# KiCad board PiEEG.kicad_pcb (continued)
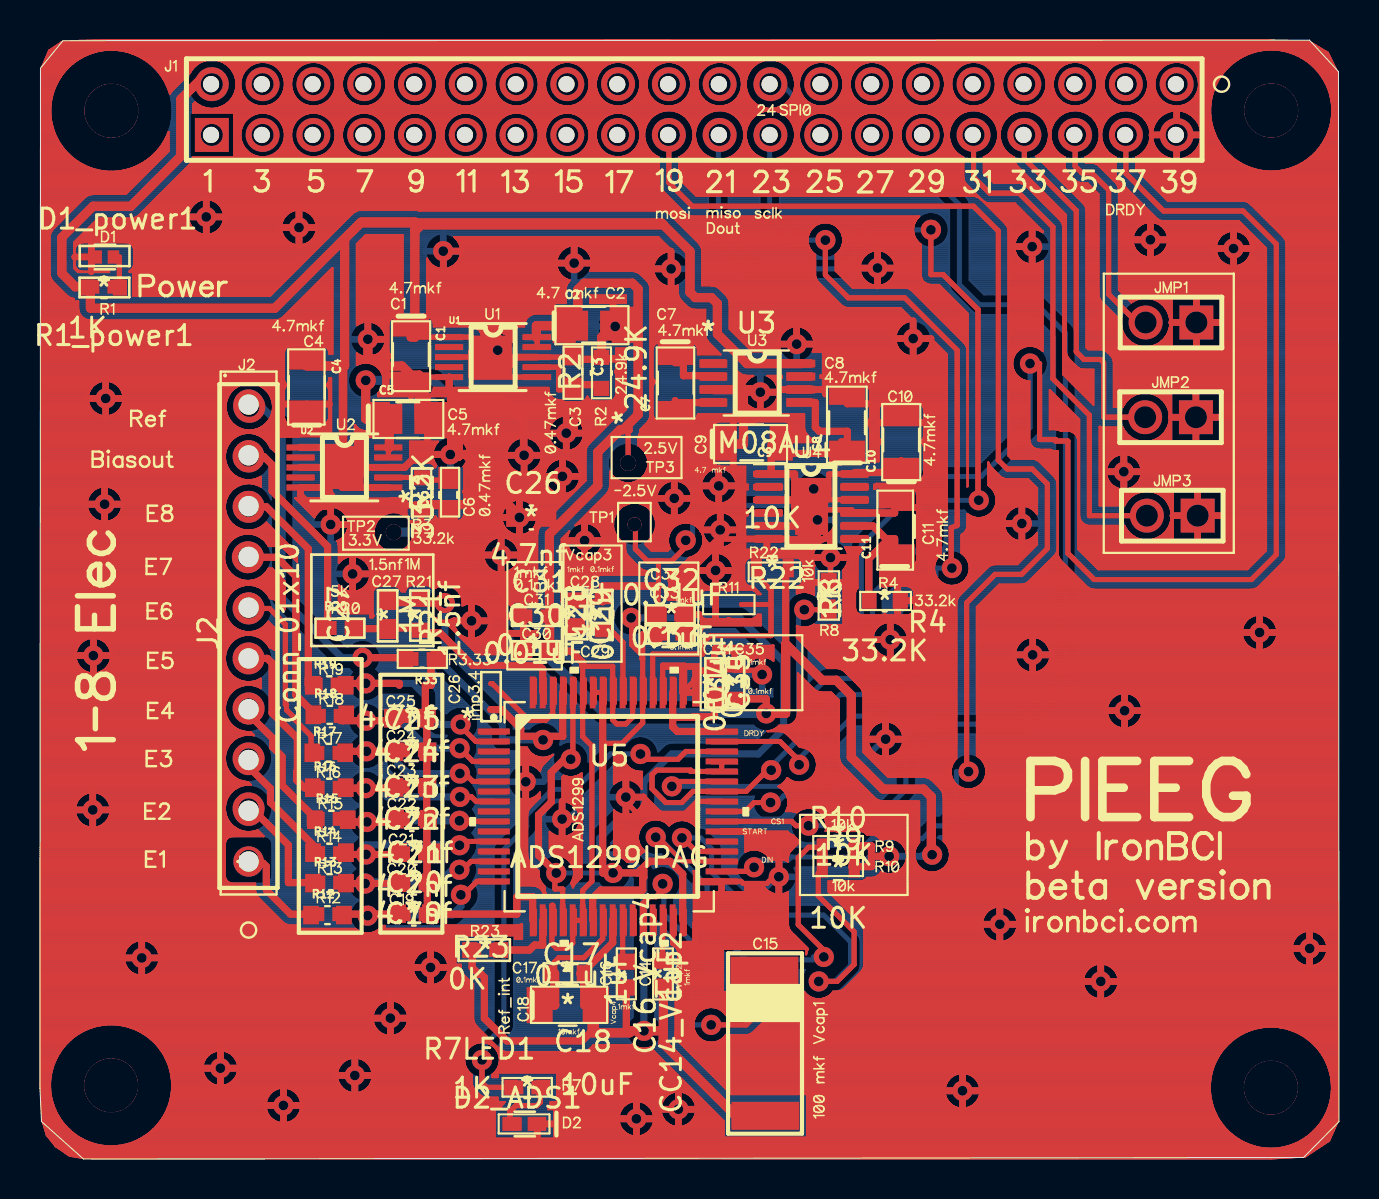
[diagram p0: board, top side]
## Routing (per net, layer and track width the routed paths; a pad name or vN(x,y) marks a point on that pad's centre or on a via; arc(x,y) is an arc through that point) (continued)
41.13,52.77 ; 41.04,52.82 41.13,52.77 ; 26.84,35.59 26.78,35.55 ; 26.84,35.59 26.9,35.63 ; 26.84,35.59 26.78,35.55 ; 26.84,35.59 26.9,35.63 ; 26.78,35.55 26.72,35.52 ; 26.78,35.55 26.72,35.52 ; 24.88,26.18 24.88,26.42 ; 24.88,26.18 24.88,26.42 ; 25.99,37.14 26.06,37.17 ; 25.99,37.14 26.06,37.17 ; 25.99,37.14 25.93,37.11 ; 25.99,37.14 25.93,37.11 ; 9.2,54.85 9.29,54.8 ; 9.2,54.85 9.29,54.8 ; 9.29,54.8 9.37,54.74 ; 9.29,54.8 9.37,54.74 ; 9.29,30.53 9.33,30.62 ; 9.29,30.53 9.26,30.43 ; 9.29,30.53 9.26,30.43 ; 9.29,30.53 9.33,30.62 ; 9.33,30.62 9.38,30.71 ; 9.33,30.62 9.38,30.71 ; 30.93,46.13 20.71,46.13 ; 30.93,46.13 31.63,45.42 ; 30.93,46.13 20.71,46.13 ; 30.93,46.13 31.63,45.42 ; 20.71,46.13 20.77,46.08 ; 20.71,46.13 20.77,46.08 ; 38.17,31.31 38.14,31.27 ; 38.17,31.31 38.2,31.34 ; 38.17,31.31 38.2,31.34 ; 38.17,31.31 38.14,31.27 ; 38.14,31.27 38.11,31.24 ; 38.14,31.27 38.11,31.24 ; 33.45,52.34 33.54,52.38 ; 33.45,52.34 33.36,52.29 ; 33.45,52.34 33.54,52.38 ; 33.45,52.34 33.36,52.29 ; 33.54,52.38 33.64,52.41 ; 33.54,52.38 33.64,52.41 ; 16.89,30.77 16.85,30.82 ; 16.89,30.77 17.08,30.57 ; 16.89,30.77 16.85,30.82 ; 16.89,30.77 17.08,30.57 ; 16.85,30.82 16.82,30.87 ; 16.85,30.82 16.82,30.87 ; 5.66,9.38 5.61,9.33 ; 5.66,9.38 5.61,9.33 ; 48.06,51.6 48.09,51.7 ; 48.06,51.6 48.09,51.7 ; 48.06,51.6 48.03,51.51 ; 48.06,51.6 48.03,51.51 ; 48.09,51.7 48.13,51.79 ; 48.09,51.7 48.13,51.79 ; 13.43,47.36 13.36,47.39 ; 13.43,47.36 13.36,47.39 ; 33.93,52.47 34.03,52.47 ; 33.93,52.47 33.83,52.46 ; 33.93,52.47 34.03,52.47 ; 33.93,52.47 33.83,52.46 ; 34.03,52.47 34.13,52.46 ; 34.03,52.47 34.13,52.46 ; 23.47,41.15 23.52,41.1 ; 23.47,41.15 23.42,41.19 ; 23.47,41.15 23.42,41.19 ; 23.47,41.15 23.52,41.1 ; 23.52,41.1 23.57,41.05 ; 23.52,41.1 23.57,41.05 ; 35.43,54.33 35.39,54.24 ; 35.43,54.33 35.39,54.24 ; 0.48,44.36 0.48,46.1 ; 0.48,44.36 0.48,44.26 ; 0.48,44.36 0.48,44.26 ; 0.48,44.36 0.48,46.1 ; 0.48,46.1 0.48,46.15 ; 0.48,46.1 0.48,46.15 ; 59.7,1.15 59.59,1.25 ; 59.7,1.15 59.59,1.25 ; 59.7,1.15 59.83,1.06 ; 59.7,1.15 59.83,1.06 ; 17.52,42.02 17.56,42.06 ; 17.52,42.02 17.49,41.97 ; 17.52,42.02 17.49,41.97 ; 17.52,42.02 17.56,42.06 ; 17.56,42.06 17.61,42.1 ; 17.56,42.06 17.61,42.1 ; 54.82,45.47 54.78,45.53 ; 54.82,45.47 54.78,45.53 ; 54.82,45.47 54.86,45.42 ; 54.82,45.47 54.86,45.42 ; 54.78,45.53 54.74,45.59 ; 54.78,45.53 54.74,45.59 ; 41.68,43.71 41.61,43.73 ; 41.68,43.71 41.75,43.7 ; 41.68,43.71 41.61,43.73 ; 41.68,43.71 41.75,43.7 ; 41.61,43.73 41.54,43.75 ; 41.61,43.73 41.54,43.75 ; 32.7,6.91 32.71,6.96 ; 32.7,6.91 32.69,6.86 ; 32.7,6.91 32.69,6.86 ; 32.7,6.91 32.71,6.96 ; 32.71,6.96 32.73,7 ; 32.71,6.96 32.73,7 ; 39.68,31.14 39.68,31.56 ; 39.68,31.14 39.8,31.14 ; 39.68,31.14 39.8,31.14 ; 39.68,31.14 39.68,31.56 ; 39.68,31.56 39.64,31.49 ; 39.68,31.56 39.64,31.49 ; 23.69,35.93 23.75,35.97 ; 23.69,35.93 23.64,35.89 ; 23.69,35.93 23.75,35.97 ; 23.69,35.93 23.64,35.89 ; 23.75,35.97 23.81,36.01 ; 23.75,35.97 23.81,36.01 ; 15.41,5.01 15.48,5.03 ; 15.41,5.01 15.48,5.03 ; 15.48,5.03 15.55,5.05 ; 15.48,5.03 15.55,5.05 ; 32.84,16.58 32.86,16.54 ; 32.84,16.58 32.81,16.62 ; 32.84,16.58 32.81,16.62 ; 32.84,16.58 32.86,16.54 ; 32.86,16.54 32.89,16.5 ; 32.86,16.54 32.89,16.5 ; 10.56,54.73 10.65,54.78 ; 10.56,54.73 10.65,54.78 ; 10.56,54.73 10.48,54.68 ; 10.56,54.73 10.48,54.68 ; 10.65,54.78 10.74,54.82 ; 10.65,54.78 10.74,54.82 ; 24.63,18.05 24.57,18.02 ; 24.63,18.05 24.57,18.02 ; 24.63,18.05 24.7,18.07 ; 24.63,18.05 24.7,18.07 ; 24.57,18.02 24.5,18 ; 24.57,18.02 24.5,18 ; 51.32,40.44 51.32,47.24 ; 51.32,40.44 51.32,40.35 ; 51.32,40.44 51.32,40.35 ; 51.32,40.44 51.32,47.24 ; 51.32,47.24 48.87,49.68 ; 51.32,47.24 48.87,49.68 ; 9.37,52.81 9.29,52.75 ; 9.37,52.81 9.29,52.75 ; 9.37,52.81 9.45,52.88 ; 9.37,52.81 9.45,52.88 ; 9.29,52.75 9.21,52.7 ; 9.29,52.75 9.21,52.7 ; 2.34,48.19 2.38,48.21 ; 2.34,48.19 2.38,48.21 ; 2.38,48.21 2.42,48.23 ; 2.38,48.21 2.42,48.23 ; 37.42,13.36 37.35,13.32 ; 37.42,13.36 37.42,11.78 ; 37.42,13.36 37.35,13.32 ; 37.42,13.36 37.42,11.78 ; 37.35,13.32 37.29,13.29 ; 37.35,13.32 37.29,13.29 ; 17.14,40.52 17.1,40.47 ; 17.14,40.52 17.1,40.47 ; 17.14,40.52 17.18,40.58 ; 17.14,40.52 17.18,40.58 ; 17.1,40.47 17.06,40.41 ; 17.1,40.47 17.06,40.41 ; 48.96,45.06 48.91,45.11 ; 48.96,45.06 49,45.01 ; 48.96,45.06 48.91,45.11 ; 48.96,45.06 49,45.01 ; 48.91,45.11 48.87,45.17 ; 48.91,45.11 48.87,45.17 ; 21.49,50.14 21.4,50.12 ; 21.49,50.14 21.4,50.12 ; 21.4,50.12 21.3,50.12 ; 21.4,50.12 21.3,50.12 ; 35.33,51.51 35.36,51.6 ; 35.33,51.51 35.36,51.6 ; 20.96,26.29 20.91,26.34 ; 20.96,26.29 21.01,26.24 ; 20.96,26.29 20.91,26.34 ; 20.96,26.29 21.01,26.24 ; 20.91,26.34 20.87,26.4 ; 20.91,26.34 20.87,26.4 ; 11.5,3.27 11.55,3.32 ; 11.5,3.27 11.55,3.32 ; 31.87,9.26 31.89,9.29 ; 31.87,9.26 31.89,9.29 ; 33.38,26.67 33.42,26.68 ; 33.38,26.67 33.34,26.66 ; 33.38,26.67 33.42,26.68 ; 33.38,26.67 33.34,26.66 ; 33.42,26.68 33.46,26.69 ; 33.42,26.68 33.46,26.69 ; 17.5,40.08 17.52,40.12 ; 17.5,40.08 17.47,40.05 ; 17.5,40.08 17.52,40.12 ; 17.5,40.08 17.47,40.05 ; 17.52,40.12 17.55,40.15 ; 17.52,40.12 17.55,40.15 ; 55.34,43.08 55.44,43.08 ; 55.34,43.08 55.24,43.08 ; 55.34,43.08 55.44,43.08 ; 55.34,43.08 55.24,43.08 ; 55.44,43.08 55.54,43.06 ; 55.44,43.08 55.54,43.06 ; 52.33,8.37 52.3,8.43 ; 52.33,8.37 52.3,8.43 ; 52.33,8.37 52.38,8.31 ; 52.33,8.37 52.38,8.31 ; 52.3,8.43 52.26,8.49 ; 52.3,8.43 52.26,8.49 ; 11.04,52.34 11.14,52.35 ; 11.04,52.34 11.14,52.35 ; 11.04,52.34 10.94,52.33 ; 11.04,52.34 10.94,52.33 ; 36.83,38.75 36.86,38.69 ; 36.83,38.75 36.86,38.69 ; 36.83,38.75 36.8,38.82 ; 36.83,38.75 36.8,38.82 ; 36.86,38.69 36.88,38.62 ; 36.86,38.69 36.88,38.62 ; 34.33,27.02 34.29,27.01 ; 34.33,27.02 34.37,27.03 ; 34.33,27.02 34.29,27.01 ; 34.33,27.02 34.37,27.03 ; 37.43,11.61 37.42,11.65 ; 37.43,11.61 37.44,11.57 ; 37.43,11.61 37.44,11.57 ; 37.43,11.61 37.42,11.65 ; 37.42,11.65 37.42,11.69 ; 37.42,11.65 37.42,11.69 ; 21.37,34.96 21.35,34.9 ; 21.37,34.96 21.39,35.03 ; 21.37,34.96 21.35,34.9 ; 21.37,34.96 21.39,35.03 ; 21.35,34.9 21.32,34.83 ; 21.35,34.9 21.32,34.83 ; 8.45,46.25 8.38,46.24 ; 8.45,46.25 8.52,46.26 ; 8.45,46.25 8.52,46.26 ; 8.45,46.25 8.38,46.24 ; 8.38,46.24 8.31,46.24 ; 8.38,46.24 8.31,46.24 ; 20.41,38.16 20.41,36.13 ; 20.41,38.16 16.91,38.16 ; 20.41,38.16 20.41,36.13 ; 20.41,38.16 16.91,38.16 ; 20.41,36.13 20.47,36.14 ; 20.41,36.13 20.47,36.14 ; 14.98,28.67 14.95,28.71 ; 14.98,28.67 14.95,28.71 ; 14.95,28.71 14.95,27.3 ; 14.95,28.71 14.95,27.3 ; 16.32,3.5 16.26,3.45 ; 16.32,3.5 16.26,3.45 ; 16.32,3.5 16.37,3.54 ; 16.32,3.5 16.37,3.54 ; 16.26,3.45 16.21,3.42 ; 16.26,3.45 16.21,3.42 ; 30.21,5.52 30.16,5.52 ; 30.21,5.52 30.16,5.52 ; 30.21,5.52 30.26,5.52 ; 30.21,5.52 30.26,5.52 ; 46.15,52.34 46.24,52.38 ; 46.15,52.34 46.06,52.29 ; 46.15,52.34 46.24,52.38 ; 46.15,52.34 46.06,52.29 ; 41.63,14.07 41.68,14.07 ; 41.63,14.07 41.68,14.07 ; 23.77,40.31 23.76,40.24 ; 23.77,40.31 23.78,40.37 ; 23.77,40.31 23.78,40.37 ; 23.77,40.31 23.76,40.24 ; 23.76,40.24 23.74,40.17 ; 23.76,40.24 23.74,40.17 ; 22.82,41.35 22.75,41.35 ; 22.82,41.35 22.75,41.35 ; 9.5,38.32 9.57,38.4 ; 9.5,38.32 9.57,38.4 ; 23.58,34.58 23.53,34.64 ; 23.58,34.58 23.63,34.54 ; 23.58,34.58 23.53,34.64 ; 23.58,34.58 23.63,34.54 ; 23.53,34.64 23.49,34.69 ; 23.53,34.64 23.49,34.69 ; 53.85,23.23 53.92,23.26 ; 53.85,23.23 53.92,23.26 ; 53.85,23.23 53.79,23.19 ; 53.85,23.23 53.79,23.19 ; 53.92,23.26 53.98,23.28 ; 53.92,23.26 53.98,23.28 ; 64.43,53.56 64.48,53.42 ; 64.43,53.56 64.37,53.7 ; 64.43,53.56 64.48,53.42 ; 64.43,53.56 64.37,53.7 ; 64.48,53.42 64.52,53.28 ; 64.48,53.42 64.52,53.28 ; 40.01,53.16 39.95,53.08 ; 40.01,53.16 40.06,53.25 ; 40.01,53.16 40.06,53.25 ; 40.01,53.16 39.95,53.08 ; 39.95,53.08 39.88,53 ; 39.95,53.08 39.88,53 ; 25.15,13.38 25.17,13.34 ; 25.15,13.38 25.17,13.34 ; 10.15,50.71 10.11,50.8 ; 10.15,50.71 10.11,50.8 ; 10.11,50.8 10.08,50.89 ; 10.11,50.8 10.08,50.89 ; 15.41,31.95 15.42,31.88 ; 15.41,31.95 15.42,31.88 ; 15.41,31.95 15.39,32.02 ; 15.41,31.95 15.39,32.02 ; 15.42,31.88 15.43,31.81 ; 15.42,31.88 15.43,31.81 ; 39.68,30.97 39.74,30.96 ; 39.68,30.97 39.61,30.98 ; 39.68,30.97 39.74,30.96 ; 39.68,30.97 39.61,30.98 ; 39.74,30.96 39.8,30.94 ; 39.74,30.96 39.8,30.94 ; 48.93,24.71 48.89,24.76 ; 48.93,24.71 48.97,24.65 ; 48.93,24.71 48.97,24.65 ; 48.93,24.71 48.89,24.76 ; 48.89,24.76 48.85,24.83 ; 48.89,24.76 48.85,24.83 ; 11.62,50.23 11.53,50.19 ; 11.62,50.23 11.53,50.19 ; 11.62,50.23 11.71,50.28 ; 11.62,50.23 11.71,50.28 ; 11.53,50.19 11.43,50.16 ; 11.53,50.19 11.43,50.16 ; 30.1,44.21 30.35,43.96 ; 30.1,44.21 30.35,43.96 ; 34.58,29.03 34.55,28.97 ; 34.58,29.03 34.61,29.1 ; 34.58,29.03 34.61,29.1 ; 34.58,29.03 34.55,28.97 ; 34.55,28.97 34.51,28.91 ; 34.55,28.97 34.51,28.91 ; 23.03,54.54 23.1,54.61 ; 23.03,54.54 22.96,54.47 ; 23.03,54.54 23.1,54.61 ; 23.03,54.54 22.96,54.47 ; 23.1,54.61 23.18,54.68 ; 23.1,54.61 23.18,54.68 ; 17.3,50.99 17.27,50.89 ; 17.3,50.99 17.32,51.08 ; 17.3,50.99 17.32,51.08 ; 17.3,50.99 17.27,50.89 ; 17.27,50.89 17.24,50.8 ; 17.27,50.89 17.24,50.8 ; 12.8,54.47 12.87,54.54 ; 12.8,54.47 12.87,54.54 ; 12.87,54.54 12.94,54.61 ; 12.87,54.54 12.94,54.61 ; 45.14,54.3 45.18,54.21 ; 45.14,54.3 45.18,54.21 ; 45.14,54.3 45.09,54.39 ; 45.14,54.3 45.09,54.39 ; 45.18,54.21 45.22,54.12 ; 45.18,54.21 45.22,54.12 ; 19.81,34.69 19.82,34.71 ; 19.81,34.69 19.82,34.71 ; 25.43,36.32 25.44,36.39 ; 25.43,36.32 25.43,36.25 ; 25.43,36.32 25.44,36.39 ; 25.43,36.32 25.43,36.25 ; 25.44,36.39 25.44,36.46 ; 25.44,36.39 25.44,36.46 ; 18.36,32.1 18.35,32.14 ; 18.36,32.1 18.35,32.14 ; 54.29,32.78 54.34,32.87 ; 54.29,32.78 54.34,32.87 ; 12.62,47.43 12.68,47.45 ; 12.62,47.43 12.56,47.4 ; 12.62,47.43 12.56,47.4 ; 12.62,47.43 12.68,47.45 ; 12.68,47.45 12.75,47.47 ; 12.68,47.45 12.75,47.47 ; 9.56,28.35 9.5,28.27 ; 9.56,28.35 9.5,28.27 ; 31.52,31.38 31.54,31.43 ; 31.52,31.38 31.49,31.34 ; 31.52,31.38 31.54,31.43 ; 31.52,31.38 31.49,31.34 ; 31.54,31.43 31.57,31.47 ; 31.54,31.43 31.57,31.47 ; 11.04,52.66 10.94,52.68 ; 11.04,52.66 10.94,52.68 ; 11.04,52.66 11.14,52.66 ; 11.04,52.66 11.14,52.66 ; 10.94,52.68 10.84,52.7 ; 10.94,52.68 10.84,52.7 ; 28,30.47 27.96,30.42 ; 28,30.47 27.96,30.42 ; 28,30.47 28.03,30.53 ; 28,30.47 28.03,30.53 ; 27.96,30.42 27.92,30.36 ; 27.96,30.42 27.92,30.36 ; 17.57,32.36 17.85,32.35 ; 17.57,32.36 17.51,32.35 ; 17.57,32.36 17.85,32.35 ; 17.57,32.36 17.51,32.35 ; 17.85,32.35 17.91,32.35 ; 17.85,32.35 17.91,32.35 ; 61.88,26.48 61.87,26.54 ; 61.88,26.48 61.87,26.54 ; 40.09,45.58 40.07,45.54 ; 40.09,45.58 40.07,45.54 ; 40.07,45.54 40.04,45.5 ; 40.07,45.54 40.04,45.5 ; 30.46,1.38 30.4,1.33 ; 30.46,1.38 30.4,1.33 ; 63.03,9.78 62.97,9.82 ; 63.03,9.78 63.09,9.74 ; 63.03,9.78 62.97,9.82 ; 63.03,9.78 63.09,9.74 ; 62.97,9.82 62.92,9.86 ; 62.97,9.82 62.92,9.86 ; 61.89,26.33 61.89,26.26 ; 61.89,26.33 61.89,26.26 ; 61.89,26.26 61.88,26.19 ; 61.89,26.26 61.88,26.19 ; 31.9,43.71 31.84,43.68 ; 31.9,43.71 31.9,43.41 ; 31.9,43.71 31.84,43.68 ; 31.9,43.71 31.9,43.41 ; 31.84,43.68 31.78,43.67 ; 31.84,43.68 31.78,43.67 ; 32.63,42.5 32.59,42.52 ; 32.63,42.5 32.68,42.49 ; 32.63,42.5 32.68,42.49 ; 32.63,42.5 32.59,42.52 ; 32.59,42.52 32.54,42.53 ; 32.59,42.52 32.54,42.53 ; 9.5,25.77 9.44,25.69 ; 9.5,25.77 9.44,25.69 ; 9.77,53.38 9.73,53.29 ; 9.77,53.38 9.73,53.29 ; 9.77,53.38 9.79,53.48 ; 9.77,53.38 9.79,53.48 ; 9.73,53.29 9.69,53.2 ; 9.73,53.29 9.69,53.2 ; 34.19,54.87 34.29,54.85 ; 34.19,54.87 34.1,54.88 ; 34.19,54.87 34.1,54.88 ; 34.19,54.87 34.29,54.85 ; 34.29,54.85 34.39,54.82 ; 34.29,54.85 34.39,54.82 ; 26.37,30.73 26.39,30.66 ; 26.37,30.73 26.39,30.66 ; 10.06,28.67 10.16,28.7 ; 10.06,28.67 9.97,28.63 ; 10.06,28.67 10.16,28.7 ; 10.06,28.67 9.97,28.63 ; 10.16,28.7 10.26,28.71 ; 10.16,28.7 10.26,28.71 ; 38.36,8.22 38.32,8.25 ; 38.36,8.22 38.4,8.19 ; 38.36,8.22 38.4,8.19 ; 38.36,8.22 38.32,8.25 ; 53.41,9.71 53.47,9.68 ; 53.41,9.71 53.47,9.68 ; 53.41,9.71 53.34,9.73 ; 53.41,9.71 53.34,9.73 ; 53.47,9.68 53.53,9.64 ; 53.47,9.68 53.53,9.64 ; 20.42,54.47 20.49,54.54 ; 20.42,54.47 20.37,54.39 ; 20.42,54.47 20.49,54.54 ; 20.42,54.47 20.37,54.39 ; 20.49,54.54 20.56,54.61 ; 20.49,54.54 20.56,54.61 ; 43.98,47.16 32.63,47.16 ; 43.98,47.16 32.63,47.16 ; 32.63,47.16 32.59,47.16 ; 32.63,47.16 32.59,47.16 ; 47.1,47.99 46.33,48.76 ; 47.1,47.99 47.17,47.93 ; 47.1,47.99 47.17,47.93 ; 47.1,47.99 46.33,48.76 ; 46.33,48.76 46.31,48.79 ; 46.33,48.76 46.31,48.79 ; 62.51,6.47 62.65,6.42 ; 62.51,6.47 62.65,6.42 ; 62.51,6.47 62.37,6.52 ; 62.51,6.47 62.37,6.52 ; 62.65,6.42 62.79,6.37 ; 62.65,6.42 62.79,6.37 ; 52.73,50.45 52.66,50.38 ; 52.73,50.45 52.66,50.38 ; 52.73,50.45 52.79,50.53 ; 52.73,50.45 52.79,50.53 ; 15.74,3.29 15.67,3.29 ; 15.74,3.29 15.81,3.29 ; 15.74,3.29 15.67,3.29 ; 15.74,3.29 15.81,3.29 ; 15.67,3.29 15.6,3.3 ; 15.67,3.29 15.6,3.3 ; 35.44,27.01 34.61,27.01 ; 35.44,27.01 35.57,27.01 ; 35.44,27.01 34.61,27.01 ; 35.44,27.01 35.57,27.01 ; 34.61,27.01 34.56,27.02 ; 34.61,27.01 34.56,27.02 ; 27.25,31.83 27.32,31.83 ; 27.25,31.83 27.32,31.83 ; 27.25,31.83 27.18,31.83 ; 27.25,31.83 27.18,31.83 ; 27.32,31.83 27.39,31.82 ; 27.32,31.83 27.39,31.82 ; 9.2,47.27 9.21,47.2 ; 9.2,47.27 9.21,47.2 ; 9.2,47.27 9.19,47.33 ; 9.2,47.27 9.19,47.33 ; 9.21,47.2 9.21,47.13 ; 9.21,47.2 9.21,47.13 ; 36.31,15.26 36.35,15.23 ; 36.31,15.26 36.27,15.29 ; 36.31,15.26 36.35,15.23 ; 36.31,15.26 36.27,15.29 ; 36.35,15.23 36.38,15.19 ; 36.35,15.23 36.38,15.19 ; 3.87,38.72 3.92,38.67 ; 3.87,38.72 3.92,38.67 ; 21.14,9.29 21.12,9.33 ; 21.14,9.29 21.16,9.25 ; 21.14,9.29 21.12,9.33 ; 21.14,9.29 21.16,9.25 ; 21.12,9.33 21.1,9.37 ; 21.12,9.33 21.1,9.37 ; 31.65,1.65 31.58,1.67 ; 31.65,1.65 31.72,1.63 ; 31.65,1.65 31.72,1.63 ; 31.65,1.65 31.58,1.67 ; 31.58,1.67 31.52,1.7 ; 31.58,1.67 31.52,1.7 ; 2.49,38.46 2.53,38.52 ; 2.49,38.46 2.53,38.52 ; 2.49,38.46 2.46,38.4 ; 2.49,38.46 2.46,38.4 ; 60.16,26.62 60.14,26.56 ; 60.16,26.62 60.14,26.56 ; 3.91,37.41 3.86,37.36 ; 3.91,37.41 3.96,37.46 ; 3.91,37.41 3.96,37.46 ; 3.91,37.41 3.86,37.36 ; 3.86,37.36 3.8,37.32 ; 3.86,37.36 3.8,37.32 ; 23.33,35.08 23.32,35.15 ; 23.33,35.08 23.32,35.15 ; 23.33,35.08 23.34,35.01 ; 23.33,35.08 23.34,35.01 ; 23.32,35.15 23.32,35.22 ; 23.32,35.15 23.32,35.22 ; 38.66,29.95 38.67,29.88 ; 38.66,29.95 38.67,29.88 ; 61.98,49.43 61.83,49.41 ; 61.98,49.43 62.13,49.45 ; 61.98,49.43 62.13,49.45 ; 61.98,49.43 61.83,49.41 ; 61.83,49.41 61.68,49.4 ; 61.83,49.41 61.68,49.4 ; 28.98,1.74 28.96,1.81 ; 28.98,1.74 29,1.68 ; 28.98,1.74 28.96,1.81 ; 28.98,1.74 29,1.68 ; 28.96,1.81 28.95,1.88 ; 28.96,1.81 28.95,1.88 ; 22.16,5.85 22.21,5.84 ; 22.16,5.85 22.11,5.85 ; 22.16,5.85 22.11,5.85 ; 22.16,5.85 22.21,5.84 ; 22.21,5.84 22.26,5.84 ; 22.21,5.84 22.26,5.84 ; 27.58,28.71 27.58,28.76 ; 27.58,28.71 27.58,28.76 ; 27.58,28.71 27.57,28.67 ; 27.58,28.71 27.57,28.67 ; 27.58,28.76 27.59,28.8 ; 27.58,28.76 27.59,28.8 ; 21.66,26.03 21.59,26.03 ; 21.66,26.03 21.73,26.04 ; 21.66,26.03 21.59,26.03 ; 21.66,26.03 21.73,26.04 ; 10.84,54.85 10.94,54.87 ; 10.84,54.85 10.74,54.82 ; 10.84,54.85 10.94,54.87 ; 10.84,54.85 10.74,54.82 ; 48.13,53.92 48.15,54.02 ; 48.13,53.92 48.15,54.02 ; 48.15,54.02 48.18,54.12 ; 48.15,54.02 48.18,54.12 ; 11.02,31.6 10.93,31.55 ; 11.02,31.6 11.1,31.65 ; 11.02,31.6 11.1,31.65 ; 11.02,31.6 10.93,31.55 ; 10.93,31.55 10.84,31.51 ; 10.93,31.55 10.84,31.51 ; 16.79,52.82 16.87,52.87 ; 16.79,52.82 16.87,52.87 ; 35.95,50.15 35.86,50.2 ; 35.95,50.15 36.04,50.1 ; 35.95,50.15 36.04,50.1 ; 35.95,50.15 35.86,50.2 ; 35.86,50.2 35.78,50.26 ; 35.86,50.2 35.78,50.26 ; 10.8,23.67 10.89,23.64 ; 10.8,23.67 10.89,23.64 ; 10.89,23.64 10.98,23.59 ; 10.89,23.64 10.98,23.59 ; 22.48,26.85 22.47,26.78 ; 22.48,26.85 22.48,26.92 ; 22.48,26.85 22.48,26.92 ; 22.48,26.85 22.47,26.78 ; 22.47,26.78 22.45,26.71 ; 22.47,26.78 22.45,26.71 ; 38.8,31.09 38.73,31.1 ; 38.8,31.09 38.73,31.1 ; 38.8,31.09 38.87,31.08 ; 38.8,31.09 38.87,31.08 ; 38.73,31.1 38.66,31.11 ; 38.73,31.1 38.66,31.11 ; 29.3,1.3 29.25,1.34 ; 29.3,1.3 29.25,1.34 ; 29.25,1.34 29.2,1.39 ; 29.25,1.34 29.2,1.39 ; 53.83,52.77 53.92,52.73 ; 53.83,52.77 53.92,52.73 ; 64.13,9.9 64.08,9.85 ; 64.13,9.9 64.18,9.95 ; 64.13,9.9 64.08,9.85 ; 64.13,9.9 64.18,9.95 ; 64.08,9.85 64.02,9.81 ; 64.08,9.85 64.02,9.81 ; 53.95,48.6 53.96,48.56 ; 53.95,48.6 53.94,48.64 ; 53.95,48.6 53.94,48.64 ; 53.95,48.6 53.96,48.56 ; 53.96,48.56 53.96,48.52 ; 53.96,48.56 53.96,48.52 ; 15.34,51.93 15.41,52 ; 15.34,51.93 15.41,52 ; 15.34,51.93 15.29,51.85 ; 15.34,51.93 15.29,51.85 ; 15.41,52 15.48,52.07 ; 15.41,52 15.48,52.07 ; 53.46,8.09 53.39,8.06 ; 53.46,8.09 53.52,8.12 ; 53.46,8.09 53.52,8.12 ; 53.46,8.09 53.39,8.06 ; 60.77,0.62 60.92,0.59 ; 60.77,0.62 60.92,0.59 ; 41.52,52.34 41.62,52.35 ; 41.52,52.34 41.62,52.35 ; 20.34,9.98 20.3,10.05 ; 20.34,9.98 20.3,10.05 ; 27.71,37.9 27.65,37.91 ; 27.71,37.9 28.34,37.9 ; 27.71,37.9 27.65,37.91 ; 27.71,37.9 28.34,37.9 ; 27.65,37.91 27.59,37.93 ; 27.65,37.91 27.59,37.93 ; 16.77,7.52 16.81,7.58 ; 16.77,7.52 16.81,7.58 ; 16.77,7.52 16.74,7.46 ; 16.77,7.52 16.74,7.46 ; 16.81,7.58 16.85,7.63 ; 16.81,7.58 16.85,7.63 ; 29.98,29.6 29.42,30.15 ; 29.98,29.6 29.42,30.15 ; 29.98,29.6 30.04,29.54 ; 29.98,29.6 30.04,29.54 ; 29.42,30.15 29.39,30.18 ; 29.42,30.15 29.39,30.18 ; 3.46,24.77 3.43,24.71 ; 3.46,24.77 3.49,24.84 ; 3.46,24.77 3.43,24.71 ; 3.46,24.77 3.49,24.84 ; 47.89,51.53 47.86,51.63 ; 47.89,51.53 47.86,51.63 ; 18.18,54.73 18.27,54.78 ; 18.18,54.73 18.27,54.78 ; 18.18,54.73 18.1,54.68 ; 18.18,54.73 18.1,54.68 ; 18.27,54.78 18.36,54.82 ; 18.27,54.78 18.36,54.82 ; 9.43,31.99 9.38,32.08 ; 9.43,31.99 9.49,31.91 ; 9.43,31.99 9.49,31.91 ; 9.43,31.99 9.38,32.08 ; 9.38,32.08 9.34,32.17 ; 9.38,32.08 9.34,32.17 ; 14.47,38.44 14.47,37.84 ; 14.47,38.44 14.47,38.48 ; 14.47,38.44 14.47,38.48 ; 14.47,38.44 14.47,37.84 ; 14.47,37.84 14.47,37.09 ; 14.47,37.84 14.47,37.09 ; 34.19,25.25 34.2,25.25 ; 34.19,25.25 34.2,25.25 ; 35.23,51.34 35.23,51.23 ; 35.23,51.34 35.21,51.44 ; 35.23,51.34 35.21,51.44 ; 35.23,51.34 35.23,51.23 ; 35.23,51.23 35.23,51.18 ; 35.23,51.23 35.23,51.18 ; 54.35,52.47 54.45,52.46 ; 54.35,52.47 54.25,52.47 ; 54.35,52.47 54.25,52.47 ; 54.35,52.47 54.45,52.46 ; 54.45,52.46 54.55,52.45 ; 54.45,52.46 54.55,52.45 ; 10.08,53.43 10.05,53.53 ; 10.08,53.43 10.05,53.53 ; 10.08,53.43 10.11,53.34 ; 10.08,53.43 10.11,53.34 ; 32.56,53.92 32.57,53.82 ; 32.56,53.92 32.57,53.82 ; 32.56,53.92 32.54,54.02 ; 32.56,53.92 32.54,54.02 ; 32.57,53.82 32.57,53.72 ; 32.57,53.82 32.57,53.72 ; 18.46,28.67 18.51,28.69 ; 18.46,28.67 18.41,28.64 ; 18.46,28.67 18.51,28.69 ; 18.46,28.67 18.41,28.64 ; 18.51,28.69 18.57,28.71 ; 18.51,28.69 18.57,28.71 ; 48.44,52.18 48.52,52.24 ; 48.44,52.18 48.52,52.24 ; 53.34,34.18 53.33,34.25 ; 53.34,34.18 53.33,34.25 ; 53.34,34.18 53.36,34.12 ; 53.34,34.18 53.36,34.12 ; 53.33,34.25 53.32,34.32 ; 53.33,34.25 53.32,34.32 ; 40.63,53.25 40.59,53.34 ; 40.63,53.25 40.59,53.34 ; 15.18,32.37 15.22,32.32 ; 15.18,32.37 15.22,32.32 ; 15.18,32.37 15.13,32.42 ; 15.18,32.37 15.13,32.42 ; 15.22,32.32 15.27,32.26 ; 15.22,32.32 15.27,32.26 ; 9.22,30.24 9.24,30.33 ; 9.22,30.24 9.24,30.33 ; 9.24,30.33 9.26,30.43 ; 9.24,30.33 9.26,30.43 ; 41.74,26.39 41.77,26.45 ; 41.74,26.39 41.77,26.45 ; 41.74,26.39 41.71,26.33 ; 41.74,26.39 41.71,26.33 ; 38.26,20.57 38.31,20.55 ; 38.26,20.57 38.22,20.58 ; 38.26,20.57 38.31,20.55 ; 38.26,20.57 38.22,20.58 ; 38.31,20.55 38.36,20.53 ; 38.31,20.55 38.36,20.53 ; 17.6,38.25 17.57,38.27 ; 17.6,38.25 17.63,38.23 ; 17.6,38.25 17.63,38.23 ; 17.6,38.25 17.57,38.27 ; 17.57,38.27 17.54,38.3 ; 17.57,38.27 17.54,38.3 ; 48.5,54.61 48.58,54.68 ; 48.5,54.61 48.58,54.68 ; 48.58,54.68 48.66,54.73 ; 48.58,54.68 48.66,54.73 ; 55.16,38.34 55.26,38.35 ; 55.16,38.34 55.06,38.33 ; 55.16,38.34 55.06,38.33 ; 55.16,38.34 55.26,38.35 ; 55.26,38.35 55.36,38.34 ; 55.26,38.35 55.36,38.34 ; 38.05,51.67 38.09,51.76 ; 38.05,51.67 38.09,51.76 ; 11.24,54.88 11.33,54.87 ; 11.24,54.88 11.33,54.87 ; 11.33,54.87 11.43,54.85 ; 11.33,54.87 11.43,54.85 ; 35.75,28.42 35.79,28.39 ; 35.75,28.42 35.69,28.45 ; 35.75,28.42 35.69,28.45 ; 35.75,28.42 35.79,28.39 ; 35.79,28.39 35.84,28.34 ; 35.79,28.39 35.84,28.34 ; 21.67,6.95 21.67,7 ; 21.67,6.95 21.67,7 ; 21.67,6.95 21.68,6.91 ; 21.67,6.95 21.68,6.91 ; 21.67,7 